# Altium PCB MOTHER_BOARD_LS1021_v1.0.PcbDoc (part 12 of 15) (continued)
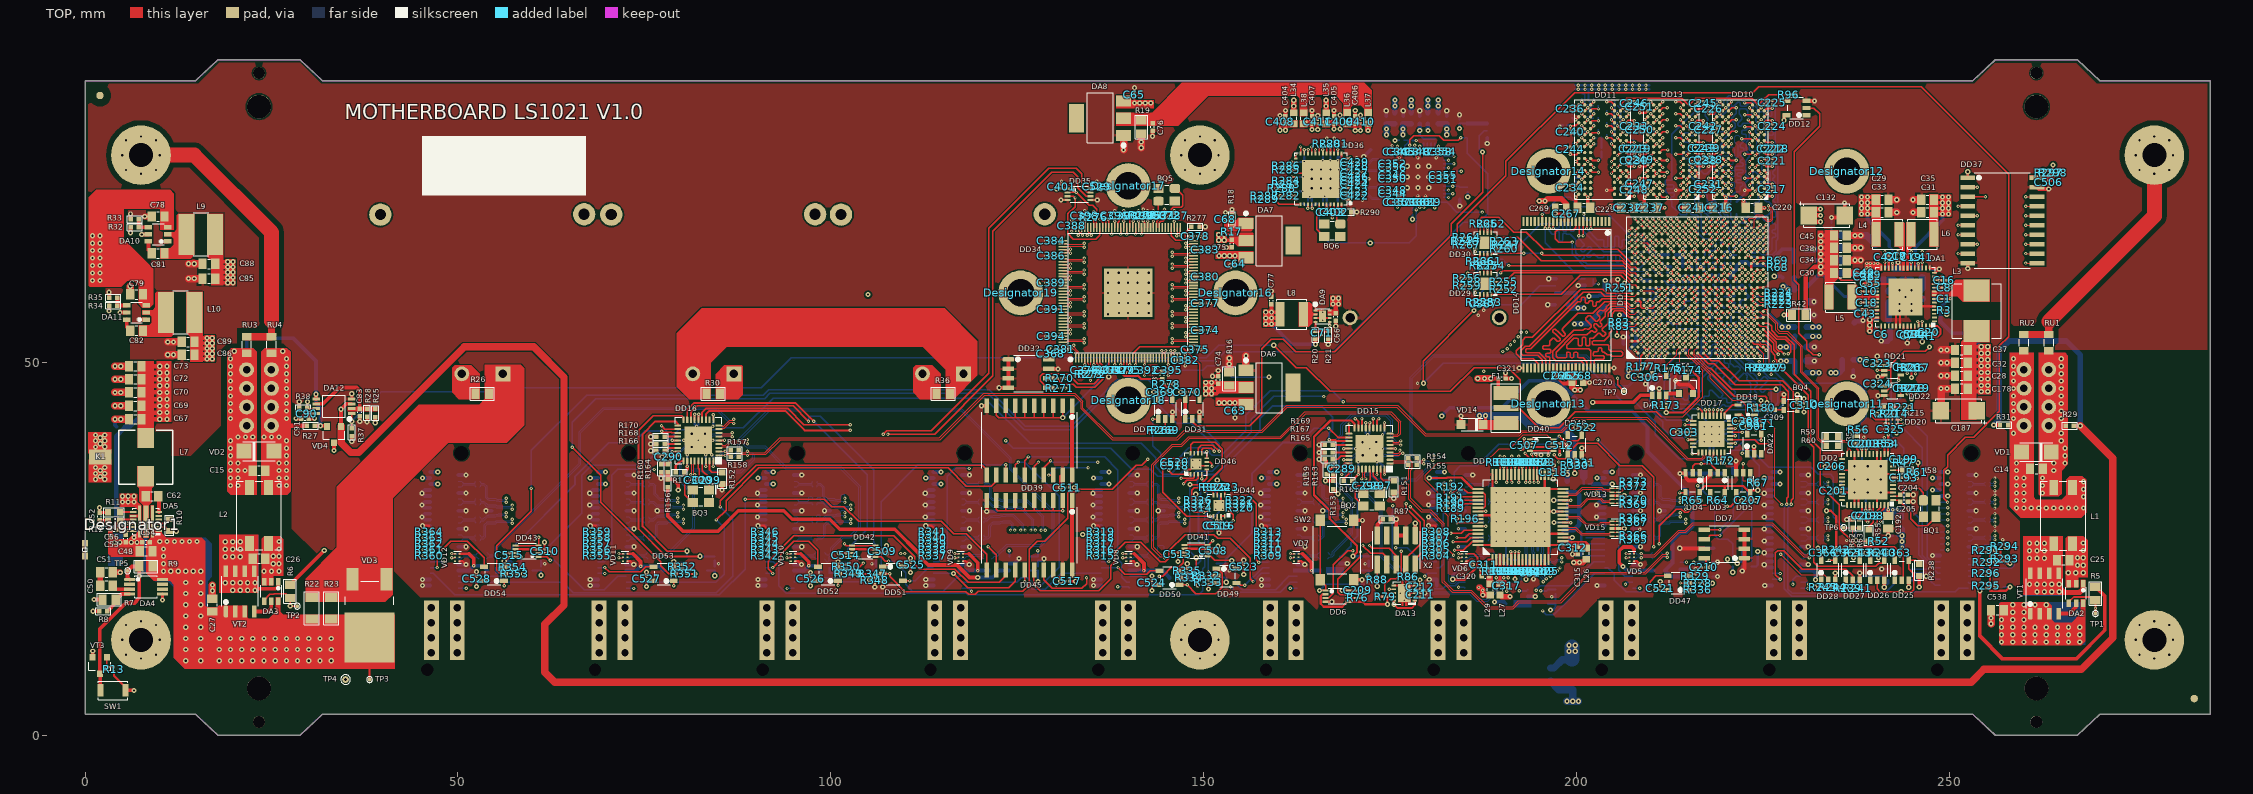
[diagram p0: TOP view]
## Nets (pads, with @x,y where several pads share a name; then routed paths per layer and width w, separated by ;. In a path a pad name is that pad's centre, name@x,y a point inside that pad or via, vN(x,y) a via of type N, cw(c..) or ccw(c..) an arc to the next point about the centre after c; other vN are vias at no path point) (continued)
  TOP w0.12: DD34.120@131.125,61.925 131.62,61.925 131.71,62.015 133.74,62.015 133.905,61.85 v1(133.975,61.85)
  SIGNAL1 w0.075: v1(133.975,61.85) 134.059,61.85 134.206,61.997 136.046,61.997 136.799,61.245 143.48,61.245 144.493,60.232 144.493,52.943 143.782,52.232 143.782,50.187 145.044,48.925 145.45,48.925 147.845,46.53 147.845,45.669 148.494,45.02 151.403,45.02 151.403,45.022 151.657,45.275 164.889,45.275 169.466,40.698 169.466,38.091 169.78,37.778 170.78,37.778 171.084,38.081 171.619,38.081 171.995,37.705 171.995,36.68 173.075,35.6 174.195,35.6 175.095,34.7 175.095,33.719 177.414,31.4 180.945,31.4 181.72,30.625 181.72,29.144 183.819,27.045 186.23,27.045 188.25,25.025 195.748,25.025 197.381,23.392 197.794,23.392 197.941,23.244 v1(198.025,23.244)
  BOTTOM w0.12: C461.2@188.15,33.3 188.235,33.385 188.235,33.52 188.305,33.59 188.449,33.59 189.084,32.955 189.608,32.955 189.805,32.758 189.805,32.134 190.139,31.8 191.889,31.8 192.545,31.144 192.545,30.974 193.019,30.5 194.612,30.5 195.075,30.037 195.075,29.739 195.765,29.049 195.87,29.049 196.225,28.694 196.225,28.093 196.305,28.013 196.305,25.51 196.265,25.47 196.265,24.7 196.125,24.56 VD17.6@196.125,23.875 196.125,23.578 196.548,23.155 197.187,23.155 197.442,23.409 197.925,23.409 198.025,23.309 v1(198.025,23.244)
PHY2_TXRX_A_P: C445.2 DD34.119 VD17.5 | length 113.1
  TOP w0.12: DD34.119@131.125,62.325 131.62,62.325 131.71,62.235 133.74,62.235 133.905,62.4 v1(133.975,62.4)
  SIGNAL1 w0.075: v1(133.975,62.4) 134.059,62.4 134.206,62.252 136.152,62.252 136.905,61.5 143.586,61.5 144.748,60.337 144.748,52.838 144.037,52.127 144.037,50.293 145.15,49.18 145.556,49.18 148.1,46.636 148.1,45.775 148.6,45.275 151.296,45.275 151.551,45.53 164.995,45.53 169.721,40.804 169.721,38.196 169.885,38.033 170.675,38.033 170.978,38.336 171.725,38.336 172.25,37.811 172.25,36.786 173.181,35.855 174.301,35.855 175.35,34.806 175.35,33.825 177.52,31.655 181.051,31.655 181.975,30.731 181.975,29.25 183.925,27.3 186.336,27.3 188.356,25.28 195.853,25.28 196.32,24.814 196.537,24.596 196.627,24.596 196.718,24.596 196.928,24.386 196.928,24.296 196.928,24.205 197.183,23.95 197.334,23.8 197.374,23.759 197.486,23.647 197.794,23.647 197.941,23.794 v1(198.025,23.794)
  BOTTOM w0.12: C445.2@188.15,34.1 188.235,34.015 188.235,33.88 188.305,33.81 188.54,33.81 189.175,33.175 189.699,33.175 190.025,32.849 190.025,32.225 190.23,32.02 191.98,32.02 192.765,31.235 192.765,31.066 193.111,30.72 194.703,30.72 195.295,30.128 195.295,29.83 195.856,29.269 195.961,29.269 196.445,28.786 196.445,28.184 196.525,28.104 VD17.5@196.525,24.825 196.525,24.625 196.4,24.5 196.4,23.614 196.639,23.375 197.096,23.375 197.351,23.629 197.834,23.629 197.925,23.629 198.025,23.729 v1(198.025,23.794)
PHY2_TXRX_B_N: C462.2 DD34.121 VD17.4 | length 113.1
  TOP w0.12: DD34.121@131.125,61.525 131.62,61.525 131.71,61.435 131.915,61.435 132.08,61.6 v1(132.15,61.6)
  SIGNAL1 w0.075: v1(132.15,61.6) 132.234,61.6 132.381,61.452 135.566,61.452 136.831,60.187 143.051,60.187 144.005,59.233 144.005,54.18 143.4,53.575 143.4,48.861 147.661,44.6 151.236,44.6 152.156,43.68 165.231,43.68 167.675,41.236 167.675,36.804 168.599,35.88 171.431,35.88 173.525,33.786 173.525,32.125 175.5,30.15 180.35,30.15 181.2,29.3 181.2,25.911 183.656,23.455 185.531,23.455 186.282,24.207 195.829,24.207 197.532,22.504 197.741,22.504 v1(197.8,22.444)
  BOTTOM w0.12: C462.2@188.15,31.7 188.235,31.615 188.235,31.48 188.305,31.41 188.44,31.41 188.622,31.41 188.865,31.167 188.865,31.066 189.21,30.72 192.096,30.72 192.65,30.166 192.65,29.775 192.955,29.47 194.641,29.47 195.22,28.891 195.22,26.08 195.355,25.945 195.355,25.51 195.585,25.28 195.585,24.865 VD17.4@195.625,24.825 195.585,24.785 195.585,24.434 195.485,24.334 195.485,23.565 196.325,22.725 197.286,22.725 197.606,22.406 197.761,22.406 v1(197.8,22.444)
PHY2_TXRX_B_P: C446.2 DD34.122 VD17.7 | length 113
  TOP w0.12: DD34.122@131.125,61.125 131.62,61.125 131.71,61.215 131.915,61.215 132.08,61.05 v1(132.15,61.05)
  SIGNAL1 w0.075: v1(132.15,61.05) 132.234,61.05 132.381,61.197 135.46,61.197 136.725,59.932 142.945,59.932 143.75,59.128 143.75,54.286 143.145,53.68 143.145,48.755 147.555,44.345 151.13,44.345 152.05,43.425 165.125,43.425 167.42,41.13 167.42,36.698 168.493,35.625 171.325,35.625 173.27,33.68 173.27,32.019 175.394,29.895 180.244,29.895 180.945,29.194 180.945,25.805 183.55,23.2 185.636,23.2 186.388,23.952 195.723,23.952 196.006,23.669 196.297,23.378 196.297,23.371 196.297,23.237 196.499,23.035 196.633,23.035 196.64,23.035 196.804,22.871 197.15,22.525 197.15,22.4 197.075,22.325 197.075,22.125 197.144,22.056 v1(197.411,22.056)
  BOTTOM w0.12: C446.2@188.15,30.9 188.235,30.985 188.235,31.12 188.305,31.19 188.531,31.19 188.645,31.076 188.645,30.974 189.119,30.5 192.005,30.5 192.43,30.075 192.43,29.684 192.864,29.25 194.55,29.25 195,28.8 195,25.989 195.135,25.854 195.135,25.419 195.365,25.189 195.365,24.525 195.225,24.385 VD17.7@195.225,23.875 195.225,23.514 196.234,22.505 197.195,22.505 197.45,22.25 197.45,22.094 v1(197.411,22.056)
PHY2_TXRX_C_N: C463.2 DD34.125 VD17.2 | length 113
  TOP w0.12: DD34.125@131.125,59.925 131.62,59.925 131.71,60.015 133.74,60.015 133.905,59.85 v1(133.975,59.85)
  SIGNAL1 w0.075: v1(133.975,59.85) 134.059,59.85 134.206,59.997 135.384,59.997 136.799,58.582 141.588,58.582 141.87,58.3 141.87,55.505 142.471,54.904 142.471,48.016 142.767,47.72 142.767,47.297 146.068,43.996 146.268,43.996 148.594,41.67 149.816,41.67 150.846,42.7 152.339,42.7 153.369,41.67 155.081,41.67 156.011,42.6 157.14,42.6 157.629,42.111 158.17,41.57 159.772,41.57 160.647,42.445 162.713,42.445 163.047,42.111 165.214,42.111 166.12,41.205 166.12,36.438 168.544,34.014 169.451,34.014 175.464,28 176.225,28 177.425,29.2 178.725,29.2 179.292,28.633 179.292,27.952 178.295,26.956 178.295,25.169 181.402,22.062 186.387,22.062 187.448,23.123 192.9,23.123 193.71,23.123 193.715,23.118 193.81,23.023 194.095,23.023 194.19,23.118 194.195,23.123 194.665,23.123 194.902,23.123 195.504,22.521 195.504,22.514 195.504,22.38 195.706,22.178 195.84,22.178 195.847,22.178 196.011,22.014 196.1,21.925 196.1,21.425 196.192,21.333 v1(196.483,21.333)
  BOTTOM w0.12: C463.2@188.15,28.5 188.235,28.585 188.235,28.72 188.305,28.79 188.616,28.79 188.906,29.08 192.171,29.08 192.4,28.851 192.4,28.184 192.654,27.93 193.445,27.93 193.7,27.675 193.7,25.689 194.025,25.364 VD17.2@194.025,24.825 194.065,24.785 194.065,24.509 194.165,24.409 194.165,23.424 195.784,21.805 196.245,21.805 196.483,21.567 v1(196.483,21.333)
PHY2_TXRX_C_P: C447.2 DD34.124 VD17.8 | length 113
  TOP w0.12: DD34.124@131.125,60.325 131.62,60.325 131.71,60.235 133.74,60.235 133.905,60.4 v1(133.975,60.4)
  SIGNAL1 w0.075: v1(133.975,60.4) 134.059,60.4 134.206,60.252 135.49,60.252 136.905,58.837 141.693,58.837 142.125,58.406 142.125,55.611 142.726,55.009 142.726,48.121 143.022,47.825 143.022,47.403 146.174,44.251 146.374,44.251 148.7,41.925 149.711,41.925 150.741,42.955 152.445,42.955 153.025,42.375 153.475,41.925 154.975,41.925 155.905,42.855 157.246,42.855 157.396,42.705 158.276,41.825 159.666,41.825 160.541,42.7 162.819,42.7 163.153,42.366 165.32,42.366 166.375,41.311 166.375,36.544 168.65,34.269 169.556,34.269 175.57,28.255 176.119,28.255 177.319,29.455 178.831,29.455 179.547,28.739 179.547,27.847 178.55,26.85 178.55,25.275 181.508,22.317 186.282,22.317 187.343,23.378 195.008,23.378 196.604,21.782 196.813,21.782 v1(196.872,21.722)
  BOTTOM w0.12: C447.2@188.15,29.3 188.235,29.215 188.235,29.08 188.305,29.01 188.525,29.01 188.815,29.3 192.262,29.3 192.62,28.942 192.62,28.275 192.745,28.15 193.536,28.15 193.92,27.766 193.92,25.78 194.285,25.415 194.285,24.6 194.425,24.46 VD17.8@194.425,23.875 194.425,23.475 195.875,22.025 196.336,22.025 196.639,21.722 v1(196.872,21.722)
PHY2_TXRX_D_N: C464.2 DD34.126 VD17.9 | length 113
  TOP w0.12: DD34.126@131.125,59.525 131.62,59.525 131.71,59.435 131.915,59.435 132.08,59.6 v1(132.15,59.6)
  SIGNAL1 w0.075: v1(132.15,59.6) 132.234,59.6 132.381,59.452 134.883,59.452 136.956,57.38 140.17,57.38 140.617,56.933 140.617,55.691 141.832,54.477 141.832,53.697 140.5,52.364 140.5,51.775 141.5,50.775 141.5,47.7 142.705,46.495 142.705,45.77 143.2,45.275 144.211,45.275 144.78,44.706 144.78,43.969 144.431,43.62 142.97,43.62 142.325,42.975 142.325,42.5 143.025,41.8 143.9,41.8 144.955,42.855 146.531,42.855 146.955,42.431 146.955,41.47 147.325,41.1 160.35,41.1 160.805,41.555 161.606,41.555 161.93,41.231 161.93,39.869 162.149,39.65 162.45,39.65 162.652,39.852 162.652,41.188 163.019,41.555 164.256,41.555 164.85,40.961 164.85,36.7 168.775,32.775 169.911,32.775 181.018,21.667 183.733,21.667 183.862,21.538 187.874,21.538 ; 187.875,21.537 188.175,21.537 ; 188.176,21.538 188.424,21.538 ; 188.425,21.537 188.725,21.537 ; 188.726,21.538 188.752,21.538 189.069,21.855 194.87,21.855 195.686,21.039 195.895,21.039 v1(195.954,20.979)
  BOTTOM w0.12: C464.2@188.15,26.9 188.235,26.815 188.235,26.68 188.305,26.61 188.689,26.61 188.804,26.725 192.326,26.725 192.695,26.356 192.695,25.881 193.385,25.191 193.385,24.374 193.485,24.274 193.485,22.415 193.825,22.075 194.625,22.075 195.721,20.979 v1(195.954,20.979)
PHY2_TXRX_D_P: C448.2 DD34.127 VD17.1 | length 113
  TOP w0.12: DD34.127@131.125,59.125 131.62,59.125 131.71,59.215 131.915,59.215 132.08,59.05 v1(132.15,59.05)
  SIGNAL1 w0.075: v1(132.15,59.05) 132.234,59.05 132.381,59.197 134.778,59.197 136.85,57.125 140.064,57.125 140.362,56.827 140.362,55.586 141.577,54.371 141.577,53.802 140.245,52.47 140.245,51.669 141.245,50.669 141.245,47.594 142.45,46.389 142.45,45.664 143.094,45.02 144.105,45.02 144.525,44.6 144.525,44.075 144.325,43.875 142.864,43.875 142.07,43.081 142.07,42.394 142.919,41.545 144.006,41.545 145.061,42.6 146.425,42.6 146.7,42.325 146.7,41.364 147.219,40.845 160.456,40.845 160.911,41.3 161.5,41.3 161.675,41.125 161.675,39.763 162.043,39.395 162.556,39.395 162.907,39.746 162.907,41.082 163.125,41.3 164.15,41.3 164.595,40.855 164.595,36.594 168.669,32.52 169.805,32.52 180.913,21.412 183.627,21.412 183.756,21.283 187.769,21.283 ; 187.769,21.282 188.281,21.282 188.319,21.283 188.831,21.282 188.858,21.283 189.175,21.6 194.764,21.6 195.261,21.103 195.261,20.961 195.1,20.8 195.1,20.7 195.275,20.525 195.5,20.525 v1(195.565,20.59)
  BOTTOM w0.12: C448.2@188.15,26.1 188.235,26.185 188.235,26.32 188.305,26.39 188.78,26.39 188.895,26.505 192.235,26.505 192.475,26.265 192.475,25.79 193.125,25.14 VD17.1@193.125,24.825 193.125,24.323 193.265,24.183 193.265,22.324 193.734,21.855 194.534,21.855 195.565,20.824 v1(195.565,20.59)
PHY3_TXRX_A_N: C465.2 DD34.129 VD18.6 | length 64.7
  TOP w0.12: DD34.129@131.125,58.325 131.62,58.325 131.71,58.415 133.74,58.415 133.905,58.25 v1(133.975,58.25)
  SIGNAL1 w0.075: v1(133.975,58.25) 134.059,58.25 134.206,58.397 134.606,58.397 136.432,56.571 136.432,56.167 136.867,55.732 138.168,55.732 139.375,54.525 139.375,48.336 137.17,46.131 137.17,43.519 139.233,41.456 141.855,41.456 143.616,39.695 158.799,39.695 162.63,35.864 164.136,35.864 164.925,35.075 164.925,34.202 167.744,31.382 168.093,31.382 168.4,31.075 168.54,31.075 v1(168.7,31.235)
  BOTTOM w0.12: C465.2@165.4,33.3 165.425,33.3 165.515,33.39 165.515,33.47 165.585,33.54 165.685,33.54 165.7,33.525 165.755,33.525 165.93,33.35 165.93,31.909 166.259,31.58 166.344,31.58 166.384,31.54 167.259,31.54 167.359,31.44 167.66,31.44 VD18.6@167.7,31.4 168.535,31.4 v1(168.7,31.235)
PHY3_TXRX_A_P: C449.2 DD34.128 VD18.5 | length 64.6
  TOP w0.12: DD34.128@131.125,58.725 131.62,58.725 131.71,58.635 133.74,58.635 133.905,58.8 v1(133.975,58.8)
  SIGNAL1 w0.075: v1(133.975,58.8) 134.059,58.8 134.206,58.652 134.712,58.652 136.687,56.677 136.687,56.273 136.973,55.987 138.273,55.987 139.63,54.631 139.63,48.23 137.425,46.025 137.425,43.625 139.339,41.711 141.961,41.711 143.722,39.95 158.905,39.95 162.736,36.119 164.241,36.119 165.18,35.181 165.18,34.307 167.85,31.637 168.469,31.637 168.616,31.785 v1(168.7,31.785)
  BOTTOM w0.12: C449.2@165.4,34.1 165.485,34.015 165.485,33.88 165.605,33.76 165.83,33.76 166.15,33.441 166.15,32 166.35,31.8 VD18.5@166.75,31.8 167.31,31.8 167.45,31.66 168.085,31.66 168.125,31.62 168.535,31.62 v1(168.7,31.785)
PHY3_TXRX_B_N: C466.2 DD34.130 VD18.4 | length 64.7
  TOP w0.12: DD34.130@131.125,57.925 131.62,57.925 131.71,57.835 131.915,57.835 132.08,58 v1(132.15,58)
  SIGNAL1 w0.075: v1(132.15,58) 132.234,58 132.381,57.852 134.683,57.852 136.23,56.305 136.23,56.122 137.597,54.755 137.597,49.074 138.178,48.493 138.178,47.728 136.6,46.15 136.6,43.25 138.925,40.925 141.375,40.925 143.55,38.75 153.905,38.75 156.43,36.225 157.4,36.225 157.782,36.607 157.782,37.532 158.355,38.105 159.22,38.105 163.32,34.005 164.195,34.005 167.503,30.697 168.919,30.697 169.066,30.845 v1(169.15,30.845)
  BOTTOM w0.12: C466.2@165.4,31.7 165.485,31.615 165.485,31.48 165.555,31.41 165.84,31.41 166.35,30.9 VD18.4@166.75,30.9 167.31,30.9 167.45,30.76 168.085,30.76 168.165,30.68 168.985,30.68 v1(169.15,30.845)
PHY3_TXRX_B_P: C450.2 DD34.131 VD18.7 | length 64.7
  TOP w0.12: DD34.131@131.125,57.525 131.62,57.525 131.71,57.615 131.915,57.615 132.08,57.45 v1(132.15,57.45)
  SIGNAL1 w0.075: v1(132.15,57.45) 132.234,57.45 132.381,57.597 134.578,57.597 135.975,56.2 135.975,56.016 137.342,54.65 137.342,48.969 137.923,48.388 137.923,47.834 136.345,46.256 136.345,43.144 138.819,40.67 141.269,40.67 143.444,38.495 153.799,38.495 156.324,35.97 157.506,35.97 158.037,36.501 158.037,37.426 158.461,37.85 159.114,37.85 163.214,33.75 164.089,33.75 167.397,30.442 168.919,30.442 169.066,30.295 v1(169.15,30.295)
  BOTTOM w0.12: C450.2@165.4,30.9 165.485,30.985 165.485,31.12 165.555,31.19 165.749,31.19 166.259,30.68 166.344,30.68 166.384,30.64 167.259,30.64 167.359,30.54 167.66,30.54 167.74,30.46 168.985,30.46 v1(169.15,30.295)
PHY3_TXRX_C_N: C467.2 DD34.134 VD18.2 | length 64.7
  TOP w0.12: DD34.134@131.125,56.325 131.62,56.325 131.71,56.415 133.74,56.415 133.905,56.25 v1(133.975,56.25)
  SIGNAL1 w0.075: v1(133.975,56.25) 134.059,56.25 134.206,56.397 134.803,56.397 136.685,54.515 136.685,48.746 136.532,48.593 136.532,47.705 135.675,46.848 135.675,41.964 137.814,39.825 140.864,39.825 143.289,37.4 152.914,37.4 156.889,33.425 158.311,33.425 159.336,34.45 160.475,34.45 160.875,34.05 160.875,31.389 161.246,31.019 164.506,31.019 164.75,30.775 164.75,29.989 165.524,29.215 167.063,29.215 167.31,29.462 168.469,29.462 168.616,29.315 v1(168.7,29.315)
  BOTTOM w0.12: C467.2@165.4,28.5 165.485,28.585 165.485,28.72 165.555,28.79 165.816,28.79 166.326,29.3 VD18.2@166.75,29.3 167.31,29.3 167.45,29.44 168.085,29.44 168.125,29.48 168.535,29.48 v1(168.7,29.315)
PHY3_TXRX_C_P: C451.2 DD34.133 VD18.8 | length 64.7
  TOP w0.12: DD34.133@131.125,56.725 131.62,56.725 131.71,56.635 133.74,56.635 133.905,56.8 v1(133.975,56.8)
  SIGNAL1 w0.075: v1(133.975,56.8) 134.059,56.8 134.206,56.652 134.908,56.652 136.94,54.62 136.94,48.64 136.787,48.487 136.787,47.6 135.93,46.742 135.93,42.07 137.92,40.08 140.97,40.08 143.395,37.655 153.02,37.655 156.995,33.68 158.205,33.68 159.23,34.705 160.581,34.705 161.13,34.156 161.13,31.495 161.351,31.274 164.612,31.274 165.005,30.881 165.005,30.095 165.63,29.47 166.957,29.47 167.204,29.717 168.469,29.717 168.616,29.865 v1(168.7,29.865)
  BOTTOM w0.12: C451.2@165.4,29.3 165.485,29.215 165.485,29.08 165.555,29.01 165.725,29.01 166.235,29.52 166.344,29.52 166.384,29.56 167.259,29.56 167.359,29.66 167.66,29.66 VD18.8@167.7,29.7 168.535,29.7 v1(168.7,29.865)
PHY3_TXRX_D_N: C468.2 DD34.135 VD18.9 | length 64.6
  TOP w0.12: DD34.135@131.125,55.925 131.62,55.925 131.71,55.835 131.915,55.835 132.08,56 v1(132.15,56)
  SIGNAL1 w0.075: v1(132.15,56) 132.234,56 132.381,55.852 134.883,55.852 136.217,54.518 136.217,48.019 135.175,46.977 135.175,41.036 140.011,36.2 142.9,36.2 143.95,35.15 153.436,35.15 156.911,31.675 159.261,31.675 162.118,28.817 168.919,28.817 169.066,28.965 v1(169.15,28.965)
  BOTTOM w0.12: C468.2@165.4,26.9 165.485,26.815 165.485,26.68 165.555,26.61 165.77,26.61 165.955,26.795 165.955,28.316 166.259,28.62 166.344,28.62 166.384,28.66 167.259,28.66 167.359,28.76 167.66,28.76 VD18.9@167.7,28.8 168.985,28.8 v1(169.15,28.965)
PHY3_TXRX_D_P: C452.2 DD34.136 VD18.1 | length 64.6
  TOP w0.12: DD34.136@131.125,55.525 131.62,55.525 131.71,55.615 131.915,55.615 132.08,55.45 v1(132.15,55.45)
  SIGNAL1 w0.075: v1(132.15,55.45) 132.234,55.45 132.381,55.597 134.778,55.597 135.962,54.413 135.962,48.125 134.92,47.082 134.92,40.93 139.905,35.945 142.795,35.945 143.844,34.895 153.33,34.895 156.805,31.42 159.155,31.42 162.013,28.562 168.919,28.562 169.066,28.415 v1(169.15,28.415)
  BOTTOM w0.12: C452.2@165.4,26.1 165.485,26.185 165.485,26.32 165.555,26.39 165.861,26.39 166.175,26.704 166.175,28.225 166.35,28.4 VD18.1@166.75,28.4 167.31,28.4 167.45,28.54 168.085,28.54 168.125,28.58 168.985,28.58 v1(169.15,28.415)
PHY4_TXRX_A_N: C469.2 DD34.138 VD19.6 | length 47.1
  TOP w0.12: DD34.138@131.125,54.725 131.62,54.725 131.71,54.815 133.74,54.815 133.905,54.65 v1(133.975,54.65)
  SIGNAL1 w0.075: v1(133.975,54.65) 134.059,54.65 134.206,54.797 134.763,54.797 135.347,54.213 135.347,51.047 134.575,50.275 134.575,48.237 133.82,47.482 133.82,40.144 139.432,34.532 139.818,34.532 140.686,35.4 141.5,35.4 141.775,35.125 141.775,34.457 142.137,34.095 146.355,34.095 146.625,33.825 146.625,33.294 146.356,33.025 145.169,33.025 144.9,32.756 144.845,32.701 144.845,31.769 145.232,31.382 146.444,31.382 146.591,31.235 v1(146.675,31.235)
  BOTTOM w0.12: C469.2@143.1,33.3 143.185,33.385 143.185,33.52 143.255,33.59 143.63,33.59 143.83,33.39 143.83,31.834 144.084,31.58 144.294,31.58 144.334,31.54 145.209,31.54 145.309,31.44 145.61,31.44 VD19.6@145.65,31.4 146.44,31.4 146.605,31.235 v1(146.675,31.235)
PHY4_TXRX_A_P: C453.2 DD34.137 VD19.5 | length 47.1
  TOP w0.12: DD34.137@131.125,55.125 131.62,55.125 131.71,55.035 133.74,55.035 133.905,55.2 v1(133.975,55.2)
  SIGNAL1 w0.075: v1(133.975,55.2) 134.059,55.2 134.206,55.052 134.868,55.052 135.602,54.319 135.602,50.941 134.83,50.169 134.83,48.132 134.075,47.377 134.075,40.25 139.537,34.787 139.712,34.787 140.58,35.655 141.606,35.655 142.03,35.231 142.03,34.563 142.243,34.35 146.461,34.35 146.88,33.931 146.88,33.188 146.462,32.77 145.275,32.77 145.1,32.595 145.1,31.875 145.338,31.637 146.444,31.637 146.591,31.785 v1(146.675,31.785)
  BOTTOM w0.12: C453.2@143.1,34.1 143.185,34.015 143.185,33.88 143.255,33.81 143.721,33.81 144.05,33.481 144.05,31.925 144.175,31.8 144.7,31.8 145.26,31.8 145.4,31.66 146.035,31.66 146.075,31.62 146.44,31.62 146.605,31.785 v1(146.675,31.785)
PHY4_TXRX_B_N: C470.2 DD34.139 VD19.4 | length 47.1
  TOP w0.12: DD34.139@131.125,54.325 131.62,54.325 131.71,54.235 131.915,54.235 132.08,54.4 v1(132.15,54.4)
  SIGNAL1 w0.075: v1(132.15,54.4) 132.234,54.4 132.381,54.252 134.158,54.252 135.046,53.364 135.046,51.471 133.605,50.03 133.605,47.48 133.125,47 133.125,38.53 137.1,34.555 137.62,34.555 139.338,32.837 139.512,32.837 140.52,33.845 141.641,33.845 142.138,33.348 143.588,33.348 143.88,33.056 143.88,32.494 143.581,32.195 142.445,32.195 142.29,32.04 142.29,31.825 142.45,31.665 143.729,31.665 144.656,30.737 147.219,30.737 147.366,30.885 v1(147.45,30.885)
  BOTTOM w0.12: C470.2@143.1,31.7 143.185,31.615 143.185,31.48 143.255,31.41 143.665,31.41 144.175,30.9 VD19.4@144.7,30.9 145.26,30.9 145.4,30.76 146.035,30.76 146.075,30.72 147.215,30.72 147.38,30.885 v1(147.45,30.885)
PHY4_TXRX_B_P: C454.2 DD34.140 VD19.7 | length 47.1
  TOP w0.12: DD34.140@131.125,53.925 131.62,53.925 131.71,54.015 131.915,54.015 132.08,53.85 v1(132.15,53.85)
  SIGNAL1 w0.075: v1(132.15,53.85) 132.234,53.85 132.381,53.997 134.053,53.997 134.791,53.259 134.791,51.577 133.35,50.136 133.35,47.586 132.87,47.106 132.87,38.424 136.994,34.3 137.514,34.3 139.232,32.582 139.618,32.582 140.626,33.59 141.535,33.59 142.032,33.093 143.482,33.093 143.625,32.95 143.625,32.6 143.475,32.45 142.339,32.45 142.035,32.146 142.035,31.719 142.344,31.41 143.623,31.41 144.551,30.482 147.219,30.482 147.366,30.335 v1(147.45,30.335)
  BOTTOM w0.12: C454.2@143.1,30.9 143.185,30.985 143.185,31.12 143.255,31.19 143.574,31.19 144.084,30.68 144.294,30.68 144.334,30.64 145.209,30.64 145.309,30.54 145.61,30.54 VD19.7@145.65,30.5 147.215,30.5 147.38,30.335 v1(147.45,30.335)
PHY4_TXRX_C_N: C471.2 DD34.143 VD19.2 | length 47.1
  TOP w0.12: DD34.143@131.125,52.725 131.62,52.725 131.71,52.815 133.74,52.815 133.905,52.65 v1(133.975,52.65)
  SIGNAL1 w0.075: v1(133.975,52.65) 134.076,52.65 134.178,52.549 134.201,52.549 134.245,52.505 134.245,52.085 132.225,50.065 132.225,45.536 131.625,44.936 131.625,37.075 136.424,32.276 136.912,32.276 137.561,32.925 137.9,32.925 138.375,32.45 138.375,32.15 137.57,31.345 137.57,30.919 138.169,30.32 138.581,30.32 139.386,31.125 139.6,31.125 139.9,30.825 139.9,30.625 139.395,30.12 139.395,29.717 139.755,29.357 144.233,29.357 144.338,29.462 146.028,29.462 146.15,29.341 146.15,29.275 146.275,29.15 146.425,29.15 146.59,29.315 v1(146.675,29.315)
  BOTTOM w0.12: C471.2@143.1,28.5 143.185,28.585 143.185,28.72 143.255,28.79 143.751,28.79 144.261,29.3 VD19.2@144.7,29.3 145.26,29.3 145.4,29.44 146.035,29.44 146.075,29.48 146.44,29.48 146.605,29.315 v1(146.675,29.315)
PHY4_TXRX_C_P: C455.2 DD34.142 VD19.8 | length 47
  TOP w0.12: DD34.142@131.125,53.125 131.62,53.125 131.71,53.035 133.74,53.035 133.905,53.2 v1(133.975,53.2)
  SIGNAL1 w0.075: v1(133.975,53.2) 134.5,52.675 134.5,51.979 132.48,49.959 132.48,45.43 131.88,44.83 131.88,37.181 136.529,32.531 136.806,32.531 137.455,33.18 138.006,33.18 138.63,32.556 138.63,32.044 137.825,31.239 137.825,31.025 138.275,30.575 138.475,30.575 139.28,31.38 139.706,31.38 140.155,30.931 140.155,30.519 139.65,30.014 139.65,29.823 139.86,29.612 144.127,29.612 144.232,29.717 146.444,29.717 146.591,29.865 v1(146.675,29.865)
  BOTTOM w0.12: C455.2@143.1,29.3 143.185,29.215 143.185,29.08 143.255,29.01 143.66,29.01 144.17,29.52 144.294,29.52 144.334,29.56 145.209,29.56 145.309,29.66 145.61,29.66 VD19.8@145.65,29.7 146.44,29.7 146.605,29.865 v1(146.675,29.865)
PHY4_TXRX_D_N: C472.2 DD34.1 VD19.9 | length 47.1
  TOP w0.12: v1(132.183,51.908) 132.233,51.859 132.466,51.859 132.71,51.615 132.965,51.36 132.965,51.16 132.875,51.07 DD34.1@132.875,50.575
  SIGNAL1 w0.075: v1(132.183,51.908) 132.112,51.98 132.112,52.189 131.98,52.32 131.514,52.32 131.205,52.011 131.205,51.281 131.505,50.981 131.505,50.858 131.505,50.711 131.57,50.646 131.655,50.561 131.655,50.306 131.57,50.221 131.505,50.156 131.505,49.861 131.57,49.796 131.655,49.711 131.655,49.456 131.57,49.371 131.505,49.306 131.505,48.946 131.505,48.521 131.505,48.494 131.355,48.344 131.1,48.09 131.1,47.998 131.1,47.877 130.92,47.697 130.8,47.697 130.708,47.697 130.6,47.589 130.6,47.377 130.6,47.017 130.665,46.952 130.75,46.867 130.75,46.612 130.665,46.527 130.6,46.462 130.6,46.167 130.665,46.102 130.75,46.017 130.75,45.762 130.665,45.677 130.6,45.612 130.6,45.317 130.665,45.252 130.75,45.167 130.75,44.912 130.665,44.827 130.6,44.762 130.6,44.467 130.665,44.402 130.75,44.317 130.75,44.062 130.665,43.977 130.6,43.912 130.6,43.725 130.6,41.977 130.6,41.794 130.655,41.739 130.75,41.644 130.75,41.359 130.655,41.264 130.6,41.209 130.6,39.475 130.6,36.525 130.815,36.31 130.944,36.181 131.022,36.181 131.156,36.181 131.358,35.98 131.358,35.845 131.358,35.767 131.448,35.677 131.796,35.329 131.925,35.2 132.003,35.2 132.137,35.2 132.339,34.999 132.339,34.864 132.339,34.786 133.212,33.913 133.828,33.297 133.828,33.027 134.95,31.905 135.57,31.905 138.658,28.818 147.219,28.818 147.366,28.965 v1(147.45,28.965)
  BOTTOM w0.12: C472.2@143.1,26.9 143.185,26.815 143.185,26.68 143.255,26.61 143.651,26.61 143.83,26.789 143.83,28.241 144.209,28.62 144.294,28.62 144.334,28.66 145.209,28.66 145.309,28.76 145.61,28.76 VD19.9@145.65,28.8 147.215,28.8 147.38,28.965 v1(147.45,28.965)
PHY4_TXRX_D_P: C456.2 DD34.2 VD19.1 | length 47.1
  TOP w0.12: v1(132.572,52.297) 132.622,52.248 132.622,52.014 132.93,51.706 133.185,51.451 133.185,51.16 133.275,51.07 DD34.2@133.275,50.575
  SIGNAL1 w0.075: v1(132.572,52.297) 132.5,52.369 132.292,52.369 132.086,52.575 131.409,52.575 130.95,52.116 130.95,51.175 131.25,50.875 131.25,48.6 130.345,47.695 130.345,36.419 133.573,33.192 133.573,32.922 134.844,31.65 135.464,31.65 138.552,28.563 147.219,28.563 147.366,28.415 v1(147.45,28.415)
  BOTTOM w0.12: C456.2@143.1,26.1 143.185,26.185 143.185,26.32 143.255,26.39 143.742,26.39 144.05,26.698 144.05,28.15 144.3,28.4 144.7,28.4 145.26,28.4 145.4,28.54 146.035,28.54 146.075,28.58 147.215,28.58 147.38,28.415 v1(147.45,28.415)
PHY5_TXRX_A_N: C473.2 DD34.39 VD20.6 | length 51.5
  TOP w0.12: v1(145.775,53.2) 145.845,53.2 146.01,53.035 148.04,53.035 148.13,53.125 DD34.39@148.625,53.125
  SIGNAL2 w0.075: v1(128.2,27.5) 128.2,27.584 128.348,27.731 128.348,38.867 136.12,46.639 136.12,48.72 138.705,51.305 143.13,51.305 144.877,53.052 145.544,53.052 145.691,53.2 v1(145.775,53.2)
  BOTTOM w0.12: C473.2@120.5,33.3 120.585,33.385 120.585,33.52 120.655,33.59 121.085,33.59 121.33,33.345 121.33,31.859 121.659,31.53 121.744,31.53 121.784,31.49 122.659,31.49 122.759,31.39 123.06,31.39 VD20.6@123.1,31.35 126.275,31.35 128.365,29.26 128.365,27.735 128.2,27.57 v1(128.2,27.5)
PHY5_TXRX_A_P: C489.2 DD34.38 VD20.5 | length 51.5
  TOP w0.12: v1(145.775,52.65) 145.845,52.65 146.01,52.815 148.04,52.815 148.13,52.725 DD34.38@148.625,52.725
  SIGNAL2 w0.075: v1(128.75,27.5) 128.75,27.584 128.603,27.731 128.603,38.761 136.375,46.534 136.375,48.614 138.811,51.05 143.236,51.05 144.983,52.797 145.544,52.797 145.691,52.65 v1(145.775,52.65)
  BOTTOM w0.12: C489.2@120.5,34.1 120.585,34.015 120.585,33.88 120.655,33.81 121.176,33.81 121.55,33.436 121.55,31.95 121.75,31.75 VD20.5@122.15,31.75 122.71,31.75 122.85,31.61 123.485,31.61 123.525,31.57 126.366,31.57 128.585,29.351 128.585,27.735 128.75,27.57 v1(128.75,27.5)
PHY5_TXRX_B_N: C474.2 DD34.40 VD20.4 | length 51.5
  TOP w0.12: v1(147.6,53.45) 147.67,53.45 147.835,53.615 148.04,53.615 148.13,53.525 DD34.40@148.625,53.525
  SIGNAL2 w0.075: v1(127.4,27.525) 127.475,27.6 127.475,27.925 127.253,28.148 127.253,39.697 132.275,44.719 132.275,45.371 132.569,45.666 133.101,45.666 133.521,45.245 134.081,45.245 134.855,46.019 134.855,46.87 134.3,47.425 134.3,47.602 138.548,51.85 143.2,51.85 144.947,53.597 147.369,53.597 147.516,53.45 v1(147.6,53.45)
  BOTTOM w0.12: C474.2@120.5,31.7 120.585,31.615 120.585,31.48 120.655,31.41 121.183,31.41 121.743,30.85 VD20.4@122.15,30.85 122.71,30.85 122.85,30.71 123.485,30.71 123.525,30.67 125.486,30.67 127.235,28.921 127.235,27.76 127.4,27.595 v1(127.4,27.525)